# KiCad board PQ_EGSE.kicad_pcb (continued)
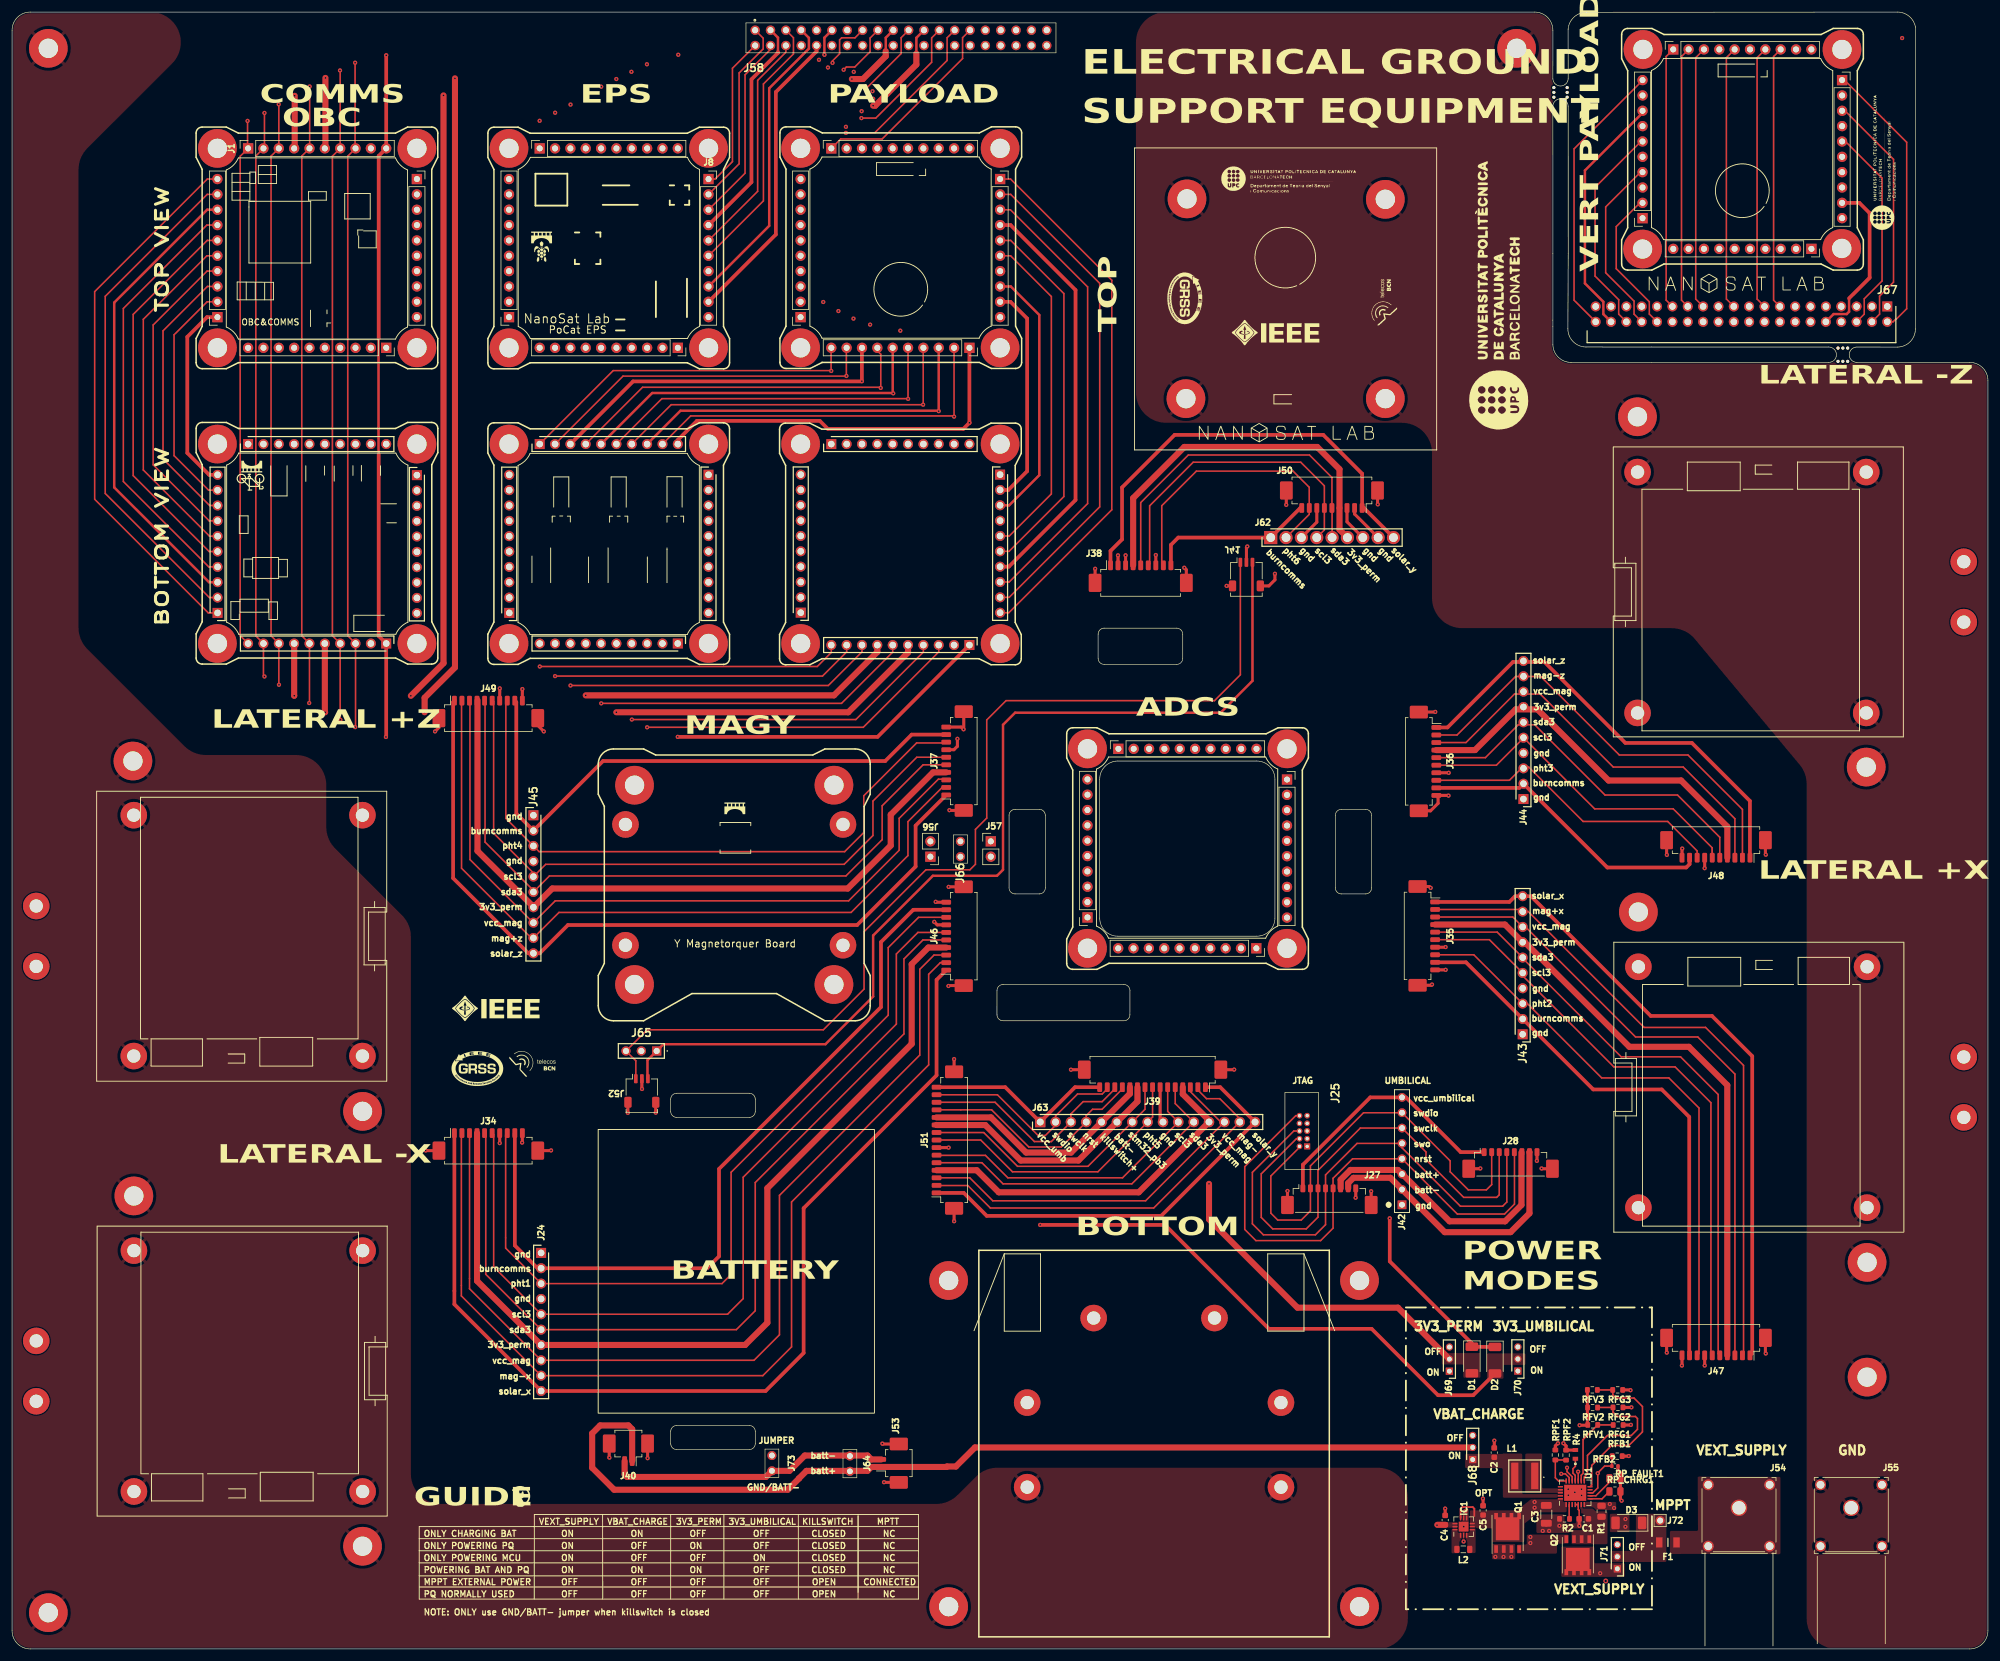
[diagram p0: board, top side]
## Routing (per net, layer and track width the routed paths; a pad name or vN(x,y) marks a point on that pad's centre or on a via; arc(x,y) is an arc through that point) (continued)
/SWO: length 86.4
  Top w0.25: J25.6 212.11,85.75 205.27,78.9 205.27,70.38 207.09,68.56 215.7,68.56 217.38,70.24 J27.4 217.38,78.47 222.59,83.69 J42.5 230.03,82.96 239.7,73.29 246.68,73.29 247.38,73.98 J28.4
ADC_PH: length 397.1
  Top w0.25: 148.28,206.97 J10.5 ; J14.6 107.54,207 148.25,207
  In2.Cu w0.25: J67.20 288.63,220.87 288.63,230.79 J60.5 ; J21.6 148.28,206.95 v1(148.29,206.96) ; 146.16,265.14 147,264.3 v1(147,218.25) ; J6.5 J14.6 ; 148.33,207 171,207 229.81,148.19 229.81,118.81 219,108 200.36,108 195.76,112.6 J31.5 ; J3.5 J17.6
  In4.Cu w0.25: v1(147,218.25) 147.75,218.25 148.28,217.72 J10.5 ; J17.6 59.18,206.9 91.5,206.9 J6.5
ADC_PL: length 627
  Top w0.25: J20.2 32.65,174.07 15.42,191.3 15.42,223.94 32.29,240.81 J2.9
  In2.Cu w0.25: J30.9 177.54,141.43 170.24,148.73 42.27,148.73 28.58,162.42 28.58,169.58 33.07,174.07 J20.2 ; J9.9 129.24,242.07 83.5,242.07 J5.9 80.98,242.08 35.24,242.08 J2.9 ; J29.9 268.51,257.2 258.51,247.19 258.51,225.84 J67.39
  In4.Cu w0.25: J20.2 35.19,175.25 81.1,175.25 J13.2 83.44,175.23 129.4,175.23 J26.2 132.77,174.11 157.2,198.53 157.2,200.2 160.38,203.38 177.61,203.38 181.25,207.02 181.25,253.82 170,265.07 170,267 171,268 J58.39
ADCS_POWER: length 391.1
  Top w0.4: J14.8 110.62,205 153.29,205 v1(153.36,204.93) 153.36,204.94 153.36,215.41 J10.3
  In2.Cu w0.4: 153.43,205 169.25,205 226.69,147.56 226.69,119.47 217.3,110.08 203.3,110.08 200.84,112.54 J31.3 ; J60.3 293.82,230.68 293.82,220.98 J67.16 ; J3.3 J17.8 ; v1(153.36,204.93) J21.8 ; v1(139.25,220.25) 139.37,220.37 139.37,258.27 140.8,259.7 140.8,265.42 J58.16 ; J6.3 J14.8
  In4.Cu w0.4: J10.3 153.94,216 154,216 154,219.67 153.42,220.25 v1(139.25,220.25) ; J6.3 94.69,205 62.36,205 62.23,204.87 62.23,204.87 J17.8
BATT+: length 213.9
  Top w1: J27.6 219.88,77.68 221.5,79.3 229.35,79.3 J42.3 230.09,78.61 237.9,70.8 247.1,70.8 249.8,73.5 249.8,82.18 ; J68.2 159.36,33.36 156.2,30.2 154.72,30.2 154.64,30.12 J53.1 142.21,30.12 141.56,29.48 131.48,29.48 130.25,28.25 130.25,28.23 128.37,26.35 99.65,26.35 96,30 96,35.68 97.32,37 102,37 102.62,36.38 J40.1
BATT-: length 654.7
  Top w0.4: 144.59,264.51 144.6,264.52 144.6,266.76 J58.19
  Top w1: v1(100,155.07) 138.39,155.07 148.28,164.97 J22.5 ; J39.10 186.25,90.63 J63.6 176.48,80.86 166.94,80.86 161.06,86.74 153.01,86.74 J51.10 ; v1(68.27,155.07) 68.27,157.47 73.3,162.5 v1(73.3,260.03) ; v1(138.99,259.92) 140.82,259.92 144.59,263.69 144.59,264.51 ; J27.7 221.12,77.12 222,78 228.11,78 J42.2 230.03,76.07 237.1,69 248,69 251.12,72.12 251.12,82.25 J28.7 ; J1.6 51.86,248.53 v1(51.86,260.1) ; v1(51.81,155.07) 51.76,155.12 J19.5 ; J40.2 101.38,28.88 101.78,28.48 124.75,28.48 J73.2 128.66,29.48 131.2,32.02 141.56,32.02 142.21,31.38 J53.2
  In2.Cu w1: J22.5 155.9,158.58 189.42,158.58 195.79,152.21 J32.6 ; v1(51.81,155.07) 68.13,155.07 ; J15.5 100.02,165.29 100,165.27 v1(100,155.07) v1(68.27,155.07) ; J7.6 100.02,248.75 100,248.77 v1(100,259.92) 99.89,260.03 v1(73.3,260.03) 51.93,260.03 v1(51.86,260.1)
  In4.Cu w1: J59.6 292.61,269.8 306.5,269.8 310.3,266 310.3,230.8 306.9,227.4 289.5,227.4 287.48,225.38 J67.19 ; J11.6 148.28,257.72 146.08,259.92 v1(138.99,259.92) v1(100,259.92)
BATT_NTC: length 596.4
  Top w0.25: J67.4 309.07,220.99 309.07,223.97 311.38,226.28 311.38,246.62 303.34,254.66 J61.3 ; J8.3 121.31,244.32 121.31,260.62 125.52,264.83 J58.4 ; J41.1 203.28,161.28 199,157 164.5,157 161.3,153.8 161.3,137.55 159.43,135.68 159.43,129.91 158.53,129 151.25,129 141,118.75 141,109.25 134.26,102.51 105.11,102.51 J65.3 103.22,97.38 J52.1 ; J23.8 165.02,176.64 178,189.62 178,225.5 165.22,238.28 J12.3
  In2.Cu w0.25: J18.8 68.35,177.9 113.98,177.9 J16.8 116.54,177.9 162.26,177.9 J23.8
  In4.Cu w0.25: J12.3 162.15,239.64 116.62,239.64 J8.3 114.09,239.45 68.18,239.45 J4.3 ; J33.3 217.62,145.48 217.62,155.06 213.41,159.28 180.73,159.28 163.51,176.49 J23.8
BURNCOMMS: length 849.2
  Top w0.4: J67.10 301.46,221 303.63,221 304.02,221.39 304.02,223.61
  Top w0.6: J37.9 148.88,151.38 144.5,147 97.8,147 J45.2 83.45,138.32 83.45,156.75 J49.9 ; J46.9 149.15,122.38 143.8,117.02 143.8,106.27 117,79.47 117,65 115.02,63.02 J24.2 86.98,63.02 83.2,66.8 J34.9 ; J8.9 126.4,234.18 126.4,257.76 133.14,264.5 J58.10 ; J47.9 277.57,48.65 277.57,88.07 273.02,92.63 261.68,92.63 250.01,104.3 J43.2 240.62,113.68 J35.9 ; J61.9 305.72,239.42 307.42,237.72 307.42,227.01 304.02,223.61 ; J50.9 213.2,188.9 J62.1 193,184 191.79,182.79 J38.9 ; J23.2 164.88,191.88 168,195 168,220.26 165.22,223.03 J12.9 ; J48.9 277.62,129.93 277.07,129.38 264.01,129.38 J44.2 249.45,142.56 J36.9
  In2.Cu w0.4: 114.11,193.01 114,193.12 68.33,193.12 68.22,193.01 ; 162.4,193 162.26,193.13 116.54,193.13 116.4,193
  In2.Cu w0.6: 162.4,193 J23.2 ; J18.2 68.22,193.01 ; 114.11,193.01 J16.2 116.4,193
  In4.Cu w0.4: 131.7,224.28 129.4,224.28 129.38,224.3 ; 80.6,224.4 80.68,224.32 83.7,224.32
  In4.Cu w0.6: J33.9 212.51,123.62 215.37,120.75 226.75,120.75 232,126 232,160.3 200.42,191.88 J23.2 ; 129.38,224.3 116.53,224.3 J8.9 113.97,224.32 83.7,224.32 ; J4.9 68.37,224.4 80.6,224.4 ; J12.9 162.27,224.28 131.7,224.28
CHRG: length 456.5
  Top w0.25: J14.1 99.48,211.64 135.51,211.64 v1(135.57,211.58) 135.55,211.6 135.55,215.39 J10.10 ; RP_CHRG1.1 263.13,24.85 U1.8
  In2.Cu w0.25: J58.30 159.62,264.38 159.62,218.86 157.15,216.4 157.15,213.4 156.09,212.34 ; 156.09,212.34 156.32,212.57 157.17,211.73 176.27,211.73 236.85,151.15 236.85,116.75 222.43,102.33 193.67,102.33 183.06,112.94 J31.10 ; 156.09,212.34 155.39,211.64 135.63,211.64 v1(135.57,211.58) 135.57,203.08 135.58,203.07 J21.1 ; J60.10 276.04,230.68 276.04,220.98 J67.30 ; J6.10 J14.1 ; J3.10 J17.1
  In4.Cu w0.25: J17.1 51.47,211.89 83.79,211.89 J6.10
CHRGOFF: length 610.6
  Top w0.25: J2.2 32.28,223.03 26.81,217.57 26.81,197.56 32.52,191.85 J20.9 ; J29.2 269.42,239.42 265.49,235.49 265.49,228.51 270.96,223.04 270.96,221 J67.32
  In2.Cu w0.25: J30.2 174.37,123.65 154.72,104 69,104 30,143 17.9,143 16,144.9 16,173.84 J20.9 ; J9.2 129.22,224.31 83.52,224.31 J5.2 80.96,224.31 35.26,224.31 J2.2
  In4.Cu w0.25: J58.32 161.08,260.73 169.72,252.1 169.72,213.56 166.94,210.78 143.78,210.78 139.41,206.41 139.41,198.53 132.76,191.89 J26.9 129.16,193.25 83.68,193.25 J13.9 81.07,193.06 35.22,193.06 J20.9
CLPROG: length 608.8
  Top w0.25: J2.3 32.33,225.57 24.98,218.23 24.98,197.01 32.69,189.31 J20.8
  In2.Cu w0.25: J2.3 35.27,226.86 80.95,226.86 J5.3 83.6,226.94 129.13,226.94 J9.3 ; J67.33 269.33,222.26 263.86,227.74 263.86,237.86 267.96,241.96 J29.3 ; J20.8 18,173.3 18,159 67.65,109.35 89.35,109.35 92,112 92,115 96.7,119.7 168.57,119.7 175.06,126.19 J30.3
  In4.Cu w0.25: J58.33 162.37,266.75 162.37,261.46 171.51,252.32 171.51,212.83 168.41,209.72 146.72,209.72 141.94,204.94 141.94,198.49 132.8,189.35 J26.8 129.4,190.47 83.44,190.47 J13.8 81.05,190.54 35.25,190.54 J20.8
DAC_PL: length 619.5
  Top w0.4: J2.8 32.28,238.28 16.9,222.89 16.9,192.31 32.6,176.61 J20.3 ; J67.38 263.35,221 263.35,223.04 260.31,226.08 260.31,244.78 269.84,254.32 J29.8
  In2.Cu w0.4: J9.8 129.25,239.53 83.49,239.53 J5.8 80.97,239.55 35.25,239.55 J2.8 ; J30.8 177.98,139.02 169.62,147.38 41.62,147.38 27,162 27,169.96 33.65,176.61 J20.3
  In4.Cu w0.4: J20.3 35.22,177.82 81.07,177.82 J13.3 83.57,177.9 129.27,177.9 J26.3 132.84,176.65 154.64,198.44 154.64,200.64 158.47,204.47 176.06,204.47 180,208.41 180,253.36 168.7,264.66 J58.38
FAULT: length 464.5
  Top w0.25: J14.2 101.11,210.73 138.05,210.73 v1(138.08,210.75) 138.08,215.37 J10.9 ; RP_FAULT1.1 264.36,27.6 262.11,25.35 U1.9
  In2.Cu w0.25: J21.2 138.08,199.52 v1(138.08,210.75) 175.25,210.75 235.45,150.55 235.45,116.45 222.4,103.4 194.89,103.4 185.6,112.69 J31.9 ; J6.9 J14.2 ; J60.9 278.58,230.69 278.58,220.97 J67.28 ; J10.9 138.12,213.88 139.42,212.58 153.41,212.58 153.81,212.98 153.81,213 154.64,213.83 154.64,215.95 157.13,218.44 157.13,264.33 J58.28 ; J3.9 J17.2
  In4.Cu w0.25: J6.9 85.44,211 53.12,211 J17.2
HEATER_PWR: length 615.3
  Top w0.4: J58.7 131.88,266.72 131.88,264.95 125.3,258.38 125.3,235.62 J8.8 ; J12.8 165.28,225.57 170,220.85 170,194.33 165.01,189.34 J23.3 ; J52.3 105.16,94.47 105.16,97.48 J65.1 107.8,100.12 134.61,100.12 142.5,108.01 142.5,118.11 152.39,128 163,128 164,129 164,153 166,155 200,155 205.28,160.28 J41.3
  In2.Cu w0.4: J61.8 304.04,241.96 307.43,238.57 307.43,227.07 302.72,222.36 J67.7 ; J23.3 162.25,190.6 116.54,190.6 J16.3 114,190.58 68.32,190.58 J18.3
  In4.Cu w0.4: J23.3 198.86,189.34 229,159.2 229,126 226.07,123.07 215.73,123.07 212.63,126.16 J33.8 ; J12.8 162.25,226.84 116.53,226.84 J8.8 113.98,226.85 68.28,226.85 J4.8
KILLSWITCH+: length 536.5
  Top w0.4: J58.23 149.66,266.74 149.66,264.1
  Top w1: 149.66,264.1 149.66,262.31 142.85,255.5 v1(142.5,255.5) ; J51.11 162,88 167.82,82.18 175.25,82.18 J63.5 185,91.92 J39.11 ; J1.4 46.68,248.76 46.77,248.85 v1(46.77,257.14) ; v1(94.94,157.87) 136.02,157.87 143.2,165.06 J22.7 ; v1(66,157.8) 71.4,163.2 v1(71.4,257.2) ; v1(46.7,157.81) 46.68,157.83 J19.7
  In2.Cu w1: J32.4 190.71,151.29 185.61,156.39 153.01,156.39 J22.7 ; J7.4 94.94,257.03 v1(95,257.09) 94.95,257.14 71.46,257.14 v1(71.4,257.2) 71.34,257.14 v1(46.77,257.14) ; v1(46.7,157.81) 46.72,157.83 65.97,157.83 v1(66,157.8) 94.86,157.8 v1(94.94,157.87) 94.94,165.26 94.94,165.27 J15.7
  In4.Cu w1: J59.4 277.56,269.8 265.9,269.8 262.5,266.4 262.5,231.1 266.1,227.5 280,227.5 282.4,225.1 J67.23 ; J11.4 143.2,254.8 v1(142.5,255.5) 142.16,255.5 140.57,257.09 v1(95,257.09)
NC: length 455.1
  Top w0.25: v1(102.57,153.87) 139.64,153.87 150.82,165.05 J22.4 ; v1(54.27,261.34) 54.3,261.31 J1.7 53.01,247.15 53.01,167.74 J19.4 54.3,153.85 v1(54.33,153.82) ; J58.17 142,266.7 142,264.44 139.46,261.9 138.07,261.9 v1(137.62,261.45) ; J67.17 288.8,223.49 288.8,263.45 J59.7
  In2.Cu w0.25: v1(54.27,261.34) 54.3,261.37 102.24,261.37 v1(102.5,261.11) 102.5,249.27 102.56,249.21 J7.7 ; J15.4 102.56,165.34 102.57,165.33 v1(102.57,153.87) 91.08,153.87 91.04,153.82 v1(54.33,153.82) ; J32.7 198.33,152.67 191.35,159.65 157.38,159.65 J22.4
  In4.Cu w0.25: J11.7 150.82,259.18 148.2,261.8 137.97,261.8 v1(137.62,261.45) 137.29,261.11 v1(102.5,261.11)
NRST: length 746.1
  Top w0.25: J20.6 32.68,184.23 21.72,195.19 21.72,220.13 32.24,230.66 J2.5 ; J28.5 248.65,82.23 248.65,73.65 247,72 239.19,72 J42.4 221.85,81.15 218.62,77.93 J27.5 218.62,69.66 216.57,67.6 205.85,67.6 204,69.46 204,79.84 212.44,88.29 J25.10 ; J39.12 183.75,92.71 180.38,89.34 178.81,89.34 177.77,88.3 J63.4 173.64,83.1 168.26,83.1 162.11,89.25 J51.12
  In2.Cu w0.25: J20.6 22,172.22 22,161 40.4,142.6 85.4,142.6 100,128 138.54,128 152.77,142.23 168.05,142.23 176,134.28 176,133.25 J30.5 ; J29.5 268.04,247.04 261.94,240.94 261.94,227.36 267.03,222.26 J67.35 ; J2.5 35.27,231.94 80.95,231.94 J5.5 83.41,231.83 129.32,231.83 J9.5
  In4.Cu w0.25: J20.6 35.28,185.5 81.01,185.5 J13.6 83.68,185.63 129.16,185.63 J26.6 132.76,184.27 147,198.5 147,203.33 151.32,207.65 171.75,207.65 175.05,210.95 175.05,252.8 165,262.86 165,266.84 J58.35
P/L_POWER: length 409
  Top w0.4: 145.75,207.93 145.78,207.93 v1(145.83,207.88) ; 145.75,207.93 105.93,207.93 J14.5 ; 145.75,207.93 145.75,215.41 J10.6
  In2.Cu w0.4: J31.6 193.22,112.78 199.29,106.71 219.71,106.71 231.27,118.27 231.27,148.73 172,208 145.95,208 v1(145.83,207.88) 145.73,207.77 145.73,199.49 J21.5 ; J10.6 146.17,215.42 149.53,218.78 149.53,264.31 J58.22 ; J3.6 J17.5 ; J6.6 J14.5 ; J67.22 286.21,220.99 286.21,223.42 286.2,223.43 286.2,230.68 J60.6
  In4.Cu w0.4: J6.6 90.06,208 57.74,208 J17.5
PFO: length 442.9
  Top w0.25: J22.6 145.74,165.03 137.26,156.55 v1(97.5,156.55) ; J67.21 283.72,223.49 283.72,263.45 J59.5 ; v1(49.17,156.6) 49.22,156.65 J19.6 47.94,167.74 47.94,247.15 J1.5 49.25,248.46 v1(49.25,258.68) ; J58.21 147.14,266.76 147.14,264.14 141.68,258.67 v1(141.22,258.67)
  In2.Cu w0.25: J7.5 97.48,258.63 v1(97.5,258.65) 87.27,258.65 87.26,258.65 58.12,258.65 58.09,258.68 v1(49.25,258.68) ; v1(49.17,156.6) 49.26,156.51 97.45,156.51 v1(97.5,156.55) 97.5,165.25 97.48,165.27 J15.6 ; J22.6 154.43,157.51 187.34,157.51 193.25,151.6 J32.5
  In4.Cu w0.25: v1(97.5,258.65) 141.19,258.65 v1(141.22,258.67) 141.24,258.65 144.35,258.65 145.74,257.26 J11.5
RST_DRIVERS: length 395
  Top w0.25: J14.7 109.08,206 v1(150.77,206) 150.79,206.02 150.79,215.39 J10.4
  In2.Cu w0.25: J3.4 J17.7 ; J58.18 143.6,265.16 143.6,251.5 141.93,249.83 141.93,219.32 v1(142,219.25) ; J67.18 291.17,220.87 291.17,230.79 J60.4 ; J21.7 150.82,205.95 v1(150.77,206) 170,206 228.22,147.78 228.22,119.22 218,109 201.98,109 198.3,112.68 J31.4 ; J6.4 J14.7
  In4.Cu w0.25: J6.4 93.15,206 60.82,206 J17.7 ; J10.4 150.82,218.57 150.12,219.27 142.02,219.27 v1(142,219.25)
SCL1: length 431.2
  Top w0.25: J59.2 276.29,263.64 276.29,223.3 J67.27 ; v1(41.77,161) 41.6,161.17 J19.9 40.34,167.72 40.34,247.17 J1.2 41.77,248.61 v1(41.77,254.3) ; v1(89.86,161.06) 134.11,161.06 138.12,165.07 J22.9 ; v1(138,251) 142.75,251 154.75,263 154.75,266.75 J58.27
  In2.Cu w0.25: v1(41.77,161) 41.83,161.06 v1(89.86,161.06) 89.86,165.21 89.86,165.21 J15.9 ; v1(41.77,254.3) 41.81,254.34 84.69,254.34 84.69,254.34 v1(89.87,254.34) 89.87,249.18 89.86,249.17 J7.2 ; J22.9 150.17,154.16 181.84,154.16 185.63,150.37 J32.2
  In4.Cu w0.25: 138.12,250.88 J11.2 ; v1(89.87,254.34) 134.66,254.34 v1(138,251)
SCL3: length 1150.4
  Top w0.25: 281.38,132.6 J48.6 281.38,132.62 274.92,139.08 261.92,139.08 250.53,150.47 249.81,150.47 245.65,146.31 J36.6 ; J51.6 153.04,81.71 161.09,81.71 164.8,78 183.78,78 J63.10 191.25,89 J39.6 ; J67.40 258.51,223.3 258.51,248.36 269.84,259.69 J29.10 ; J38.6 188.26,179.63 188.26,189.26 195.47,196.47 213.27,196.47 217.18,192.56 J50.6 217.18,185.26 J62.4 ; J47.6 281.16,48.82 281.16,90.44 275.23,96.36 265.09,96.36 250,111.45 J43.5 244.49,117.43 J35.6 ; J46.6 149.91,118.62 146.35,115.06 146.35,103.45 121,78.1 121,58 118.4,55.4 J24.5 79.7,63.26 79.7,85.15 J34.6 ; J37.6 149.73,147.62 142.48,140.38 142.48,134.67 137.7,129.9 88.31,129.9 J45.5 86.28,128.46 79.69,135.05 79.69,156.88 79.53,157.05 ; J20.1 32.47,171.53 13.67,190.33 13.67,224.72 32.3,243.36 J2.10
  In2.Cu w0.25: J9.10 129.11,244.75 83.63,244.75 J5.10 80.86,244.73 35.36,244.73 J2.10 ; J20.1 32.52,171.53 30,169.01 30,163 43,150 171,150 177.03,143.97 J30.10
  In4.Cu w0.25: J20.1 35.23,172.75 81.06,172.75 J13.1 83.44,172.69 129.4,172.69 J26.1 133.57,171.57 157.57,195.57 172.57,195.57 182.56,205.56 182.56,254.53 171.63,265.46 J58.40
SDA1: length 429.4
  Top w0.25: v1(38.97,252.98) 38.97,248.53 J1.1 37.75,247.12 37.75,167.77 J19.10 ; J67.29 273.75,223.3 273.75,263.64 J59.1 ; J11.1 137.14,249.99 143.99,249.99 157.31,263.31 157.31,266.77 J58.29 ; v1(87.34,162.65) 133.26,162.65 135.58,164.98 J22.10
  In2.Cu w0.25: J32.1 183.09,149.97 180.13,152.93 148.86,152.93 J22.10 ; J15.10 87.32,165.21 87.34,165.2 v1(87.34,162.65) 87.31,162.62 40.15,162.62 39.06,163.71 J19.10 ; J7.1 87.32,249.45 87.31,249.46 v1(87.31,253) 38.99,253 v1(38.97,252.98)
  In4.Cu w0.25: v1(87.31,253) 133,253 135.58,250.42 J11.1
SDA3: length 1151
  Top w0.25: J46.5 150.75,117.38 147.6,114.23 147.6,101.82 123,77.22 123,56 119.86,52.86 J24.6 78.39,62.03 78.39,85.08 ; J39.5 192.5,90.29 J63.11 185.32,77 164,77 160.5,80.5 J51.5 ; J37.5 150.77,146.38 144,139.6 144,133.99 137.99,127.98 88.93,127.98 J45.6 86.28,125.58 78.28,133.58 78.28,157.05 ; 78.38,85.22 J34.5 ; J29.4 269.5,244.5 263.74,238.74 263.74,227.84 268.44,223.14 268.44,220.99 J67.34 ; J62.5 218.46,188.87 J50.5 218.43,193.94 214.71,197.67 194.67,197.67 186.79,189.79 J38.5 ; J20.7 32.62,186.77 23.35,196.04 23.35,219.2 32.26,228.12 J2.4 ; J47.5 282.36,48.86 282.36,91.79 276.13,98.02 266.31,98.02 250,114.34 J43.6 245.78,118.68 J35.5 ; J48.5 282.62,134.38 275.63,141.37 263.63,141.37 252,153 249.27,153 243.83,147.56 J36.5
  In2.Cu w0.25: J9.4 129.23,229.39 83.51,229.39 J5.4 81.06,229.29 35.16,229.29 J2.4 ; J20.7 20,172.76 20,160 68,112 87.92,112 89.48,113.56 89.48,116.48 95.03,122.03 168.74,122.03 175.44,128.73 J30.4
  In4.Cu w0.25: J20.7 35.18,187.94 81.11,187.94 J13.7 83.51,188 129.33,188 J26.7 132.82,186.81 144.46,198.44 144.46,204.08 149.06,208.69 170.31,208.69 173.27,211.64 173.27,252.63 163.62,262.28 J58.34
SEL_PH0: length 427.2
  Top w0.25: J10.7 143.2,214.92 143.76,214.36 v1(143.76,208.78) 143.66,208.87 104.34,208.87 J14.4
  In2.Cu w0.25: J3.7 J17.4 ; J31.7 190.68,112.89 198.04,105.53 220.53,105.53 232.53,117.53 232.53,149.47 173.1,208.9 143.89,208.9 v1(143.76,208.78) 143.77,208.77 143.77,200.04 J21.4 ; J10.7 143.2,214.88 144.02,214.06 149.06,214.06 149.53,214.53 149.53,216.45 152.1,219.02 152.1,264.28 J58.24 ; J67.24 283.7,221.01 283.7,230.65 J60.7 ; J6.7 J14.4
  In4.Cu w0.25: J6.7 88.53,209 56.2,209 J17.4
SEL_PH1: length 430.1
  Top w0.25: J23.5 165.04,184.26 172,191.22 172,223.9 165.25,230.66 J12.6 ; J58.5 129.32,266.74 129.32,264.07 124.35,259.1 124.35,239.74 J8.6
  In2.Cu w0.25: J23.5 162.27,185.5 116.52,185.5 J16.5 114,185.5 68.33,185.5 J18.5 ; J67.5 309.46,226.46 309.46,242.54 304.96,247.04 J61.6
  In4.Cu w0.25: J23.5 197.74,184.26 224,158 224,144.42 211,131.42 J33.6 ; J12.6 162.35,231.83 116.44,231.83 J8.6 114.09,231.83 68.18,231.83 J4.6
SEL_PH2: length 426.7
  Top w0.25: J61.5 303.42,249.58 309.48,243.52 309.48,226.48 306.53,223.53 306.53,220.99 J67.6 ; J58.6 128.06,264.36 123.39,259.69 123.39,241.32 J8.5 ; J23.6 165,181.72 174.07,190.79 174.07,224.4 165.27,233.19 J12.5
  In2.Cu w0.25: J18.6 68.34,182.97 113.98,182.97 J16.6 116.56,183 162.23,183 J23.6
  In4.Cu w0.25: J12.5 162.35,234.37 116.44,234.37 J8.5 114.09,234.37 68.18,234.37 J4.5 ; J33.5 220.83,143.61 220.83,157.17 196,182 163.79,182 J23.6
SOLAR_X: length 888.2
  Top w0.6: J20.10 32.61,194.39 29,198 29,217.23 32.26,220.5 J2.1 ; J46.1 153,110.78 153,94.97 131,72.97 131,49 124.7,42.7 J24.10 73.2,57.06 J34.1 ; J47.1 288,48.98 288,98.13 281.33,104.8 271.2,104.8 251.38,124.62 J43.10 248.75,124.62 247.8,123.68 J35.1
  In2.Cu w0.4: 65.7,221.67 65.78,221.75 69.72,221.75 ; 116.62,221.78 113.38,221.78
  In2.Cu w0.6: J30.1 173.11,121.11 154,102 68,102 29,141 17.2,141 14,144.2 14,174.38 J20.10 ; J67.31 271.71,222.26 265.62,228.36 265.62,234.62 267.88,236.88 J29.1 ; 113.19,221.75 83.5,221.75 J5.1 80.99,221.75 68.5,221.75 ; J9.1 129.25,221.75 116.81,221.75 ; J2.1 35.24,221.75 65.62,221.75
  In4.Cu w0.4: 159.8,264.6 159.8,266.72 J58.31 ; 134.25,201 134.25,198 ; 65.75,195.7 68.75,195.7
  In4.Cu w0.6: 65.75,195.7 35.32,195.7 J20.10 ; 134.25,198 134.25,197.3 131.38,194.43 J26.10 129.88,194.43 128.59,195.72 83.62,195.72 J13.10 80.97,195.7 68.75,195.7 ; 159.8,264.6 159.8,260.2 168.12,251.88 168.12,214.12 165.52,211.52 140.52,211.52 134.25,205.25 134.25,201
SOLAR_Y: length 571.9
  Top w0.4: 126.76,264.4 126.76,266.76 J58.3
  Top w0.6: J51.1 157.5,75.5 161.3,71.7 190.18,71.7 J63.15 199.95,93 J39.1 ; 126.76,264.4 126.76,264.26 122.37,259.87 122.37,242.84 J8.4 ; J12.4 165.25,235.74 176,224.98 176,190.21 164.97,179.18 J23.7 ; J38.1 181.79,181.79 183.7,183.7 183.7,192.3 192.4,201 217,201 223.43,194.57 J50.1 223.72,188.9 J62.9
  In2.Cu w0.4: 80.84,180.41 83.55,180.41 83.6,180.46 ; 131.6,180.41 129.31,180.41
  In2.Cu w0.6: 83.6,180.46 113.96,180.46 J16.7 116.5,180.4 129.3,180.4 ; J18.7 68.34,180.43 80.58,180.43 ; J61.4 304.88,252.12 311.4,245.6 311.4,226.39 307.8,222.8 J67.3 ; 131.6,180.41 162.28,180.41 J23.7
  In4.Cu w0.4: 80.9,237.1 80.97,237.03 83.5,237.03 ; 128.5,237.1 128.57,237.03 131.8,237.03
  In4.Cu w0.6: 131.8,237.03 162.23,237.03 J12.4 ; J4.4 68.37,237.1 80.9,237.1 ; J33.4 219,144.32 219,156.14 214.14,161 181.25,161 163.51,178.74 J23.7 ; 83.5,237.03 113.97,237.03 J8.4 116.62,237.1 128.5,237.1
SOLAR_Z: length 579.7
  Top w0.6: J14.10 110.18,200.16 113.35,203.33 133.67,203.33 135,202 157.44,202 v1(158.44,203) J10.1 ; J36.1 237.56,152.56 248.4,163.4 253.6,163.4 267,150 278,150 287.61,140.39 287.61,131.02 J48.1 ; 73.28,157.05 72.99,156.77 72.99,127.61 85.44,115.17 J45.10 87.31,115.17 91.99,119.85 139.85,119.85 149.53,129.53 149.53,136.31 J37.1
  In2.Cu w0.25: J60.1 298.79,230.79 298.79,220.87 J67.12
  In2.Cu w0.4: v1(134.25,223) 134.2,223.05 134.2,249.97
  In2.Cu w0.6: J6.1 J14.10 ; J31.1 205.92,114.08 208,112 215,112 215.88,112.88 215.88,153.12 165.7,203.3 158.74,203.3 v1(158.44,203) J21.10 ; J3.1 J17.10 ; 134.2,249.97 134.02,250.14 134.02,262.16 135.68,263.82 J58.12
  In4.Cu w0.6: v1(134.25,223) 134.26,223.01 156.99,223.01 158.44,221.56 J10.1 ; J17.10 61.92,200.42 65.13,203.63 98.4,203.63 J6.1
STM32_PA15: length 429.7
  Top w0.25: J67.2 311.31,219.72 311.74,220.16 311.83,220.16 313.55,221.88 313.55,249.45 303.26,259.74 J61.1 ; J23.10 164.97,171.56 182,188.6 182,226.6 165.25,243.36 J12.1 ; J8.1 116.34,243.36 119.22,246.24 119.22,261.7 J58.2
  In2.Cu w0.25: J18.10 68.32,172.79 114,172.79 J16.10 116.58,172.85 162.22,172.85 J23.10
  In4.Cu w0.25: J4.1 68.18,244.53 114.09,244.53 J8.1 116.81,244.91 161.96,244.91 J12.1 ; J33.1 211.99,143.94 215.28,147.23 215.28,152.72 212.56,155.44 180.56,155.44 164.44,171.56 J23.10
STM32_PB0: length 324.6
  Top w0.25: J14.9 112.31,204.14 155.78,204.14 v1(155.9,204.02) J10.2
  In2.Cu w0.25: J6.2 J14.9 ; J60.2 296.25,230.79 296.25,220.87 J67.14 ; J31.2 203.38,113.36 205.66,111.08 216.71,111.08 218,112.36 218,154 168,204 155.92,204 v1(155.9,204.02) 155.88,204.01 155.88,199.49 J21.9 ; v1(136.75,221.5) 136.88,221.63 136.88,249.48 136,250.37 136,261.4 138.22,263.62 J58.14 ; J3.2 J17.9
  In4.Cu w0.25: v1(136.75,221.5) 155.67,221.5 155.9,221.27 J10.2
STM32_PB3: length 473.6
  Top w0.25: J23.9 165.02,174.1 180,189.08 180,226.09 165.27,240.81 J12.2 ; J51.9 153.01,85.49 160.81,85.49 166.4,79.9 178.06,79.9 J63.7 187.5,89.34 J39.9 ; J8.2 120.33,245.88 120.33,260.92 124.31,264.91 124.31,266.67 J58.1
  In2.Cu w0.25: J23.9 162.24,175.38 116.56,175.38 J16.9 114.03,175.31 68.29,175.31 J18.9 ; J67.1 311.26,222.26 313.47,224.47 313.47,248.53 304.8,257.2 J61.2
  In4.Cu w0.25: J4.2 68.18,241.99 114.09,241.99 J8.2 116.44,241.99 162.35,241.99 J12.2 ; J33.2 216.49,146.89 216.49,153.89 213.02,157.36 180.74,157.36 164,174.1 J23.9
SWCLK: length 744.5
  Top w0.25: J2.7 32.23,235.74 18.41,221.92 18.41,193.28 32.55,179.15 J20.4 ; J51.13 162.69,90.5 169.19,84 172,84 J63.3 175.23,88.58 177.26,90.61 180.4,90.61 182.5,92.71 J39.13 ; J28.3 246.12,75.18 245.7,74.76 240.24,74.76 234,81 234,82.27 J42.6 223.13,86.23 216.12,79.22 J27.3 216.12,71.49 214.19,69.55 208.63,69.55 206.74,71.43 206.74,78.66 212.56,84.48 J25.4
  In2.Cu w0.25: J67.37 264.14,222.26 260.23,226.18 260.23,243.68 268.66,252.12 J29.7 ; J20.4 33.87,179.15 25.59,170.87 25.59,161.41 41.14,145.86 87.14,145.86 101,132 137.43,132 151.27,145.84 168.96,145.84 177.98,136.82 J30.7 ; J9.7 129.24,237 83.5,237 J5.7 80.96,237.01 35.26,237.01 J2.7
  In4.Cu w0.25: J58.37 167.26,266.56 167.26,264.36 178.51,253.1 178.51,209.51 174.47,205.47 155.95,205.47 152.11,201.63 152.11,198.53 132.76,179.19 J26.4 129.16,180.55 83.68,180.55 J13.4 81.03,180.4 35.26,180.4 J20.4
SWDIO: length 729.1
  Top w0.25: J25.2 213.07,83.05 208.32,78.3 208.32,72.14 209.46,71 213.35,71 214.88,72.52 J27.2 214.88,79.97 223.67,88.77 J42.7 238,80.81 238,79 241,76 244,76 244.88,76.88 J28.2 ; J20.5 32.61,181.69 20.05,194.25 20.05,220.95 32.29,233.19 J2.6 ; J51.14 163.06,91.75 169.81,85 171,85 172.69,86.69 J63.2 172.69,88.24 176.33,91.88 180.42,91.88 181.25,92.71 J39.14 ; J29.6 269.58,249.58 261.98,241.98 261.98,227.29 265.89,223.38 265.89,220.99 J67.36
  In2.Cu w0.25: J9.6 129.23,234.47 83.51,234.47 J5.6 80.94,234.49 35.28,234.49 J2.6 ; J20.5 33.69,181.69 24,172 24,161 40.65,144.35 86.04,144.35 100.55,129.84 137.84,129.84 152,144 168.46,144 177.98,134.48 J30.6
  In4.Cu w0.25: J58.36 166.16,263.71 176.91,252.97 176.91,210.54 172.95,206.59 153.74,206.59 149.58,202.42 149.58,198.52 132.78,181.73 J26.5 129.4,182.85 83.44,182.85 J13.5 81.08,182.89 35.21,182.89 J20.5
UART_RX: length 434.5
  Top w0.25: v1(44.17,159.63) 44.14,159.66 J19.8 42.86,167.74 42.86,247.15 J1.3 44.14,255.72 v1(44.13,255.73) ; v1(92.42,159.51) 135.08,159.51 140.66,165.08 J22.8 ; J67.25 278.64,223.49 278.64,263.45 J59.3 ; v1(140.56,253.45) 142.94,253.45 152.18,262.69 152.18,266.72 J58.25
  In2.Cu w0.25: v1(44.13,255.73) 44.2,255.66 85.64,255.66 85.67,255.69 v1(92.43,255.69) 92.4,255.66 J7.3 ; J22.8 151.54,155.33 183.67,155.33 188.17,150.83 J32.3 ; J15.8 92.4,165.27 92.42,165.25 v1(92.42,159.51) 92.17,159.75 44.29,159.75 v1(44.17,159.63)
  In4.Cu w0.25: v1(92.43,255.69) 138.31,255.69 140.55,253.45 v1(140.56,253.45) 140.56,253.44 140.66,253.34 J11.3
UART_TX: length 461.2
  Top w0.25: v1(56.78,152.62) 56.84,152.68 J19.3 55.55,167.75 55.55,247.14 J1.8 56.77,248.5 v1(56.77,262.61) ; v1(105.09,152.59) 140.88,152.59 153.36,165.07 J22.3 ; J58.15 139.5,266.74 137.29,266.74 136.95,266.4 136.95,264.1 135.79,262.93 v1(135.79,262.59) ; J67.15 291.53,223.3 291.53,263.64 J59.8
  In2.Cu w0.25: J7.8 105.1,249.67 105.07,249.7 v1(105.07,262.36) 104.85,262.58 56.8,262.58 v1(56.77,262.61) ; J15.3 105.1,165.29 105.09,165.29 v1(105.09,152.59) 105.09,152.58 56.82,152.58 v1(56.78,152.62) ; J32.8 200.87,153.13 193.34,160.66 158.91,160.66 J22.3
  In4.Cu w0.25: J11.8 153.36,260.64 151,263 136.19,263 v1(135.79,262.59) 134.84,262.59 134.6,262.36 v1(105.07,262.36)
Net-(Q2-D): length 26.9
  Top w0.5: v1(256.75,34.05) 257.18,33.62 RPF2.1 258.7,32.91 R4.2
  In4.Cu w0.5: v1(256.75,34.05) 256.75,34 261.63,29.12 261.63,13.73 v1(262.83,12.53)
Net-(U1-BSTFB): length 17.6
  Top w0.25: v1(256.38,28.98) 257.08,28.98 257.7,28.36 U1.18 ; U1.10 261.62,25.85 262.43,26.66 v1(262.43,29.08) ; RFB1.1 264.76,31.85 RFB2.1 263.56,30.27 262.43,29.13
  In2.Cu w0.25: v1(256.38,28.98) 257.53,28.98 258.63,30.08 261.43,30.08 v1(262.43,29.08)
Net-(U1-CLN):
  vias: v1(245.48,15.23) v1(246.83,15.23) v1(248.13,15.23) v1(264.43,23.98) v1(265.13,23.33)
Net-(U1-PFI): length 6.7
  Top w0.2: 257.16,31.28 RPF2.2
  Top w0.25: U1.19 255.95,27.8 255.41,28.34 RPF1.1 257.16,31.28

## Copper pours and planes (outline as drawn; the poured copper is in the pictures)
3V3_PERM on Top: 240.18,44.88 240.18,47.08 236.63,47.08 236.63,48.98 242.98,48.98 243.03,44.88
/3V3_EGSE on Top: 239.28,20.08 236.68,20.08 236.68,20.98 239.28,20.98
/VIN on Top: 264.58,14.38 273.78,14.39 273.78,22.37 268.75,22.37 268.73,16.23 264.58,16.23
GND on Top: 267.69,19.35 267.69,22.38 264.43,22.36 264.43,19.33
GND on Top: 252.28,19.18 257.78,19.18 257.78,19.93 259.88,19.93 259.88,22.03 258.83,21.98 258.83,20.78 256.93,20.78 256.93,22.28 252.58,22.28 252.28,22.03
GND on Top: 0,271 0,0 231,0 231,30 161,30 155,24 66,24 66,120 52,134 52,148 30,148 11,167 11,247 35,271
GND on Top: 186,271 186,203 235,203 235,169 277,169 297,145 297,0 327,0 327,213 255,213 255,271
GND on Top, Bottom: 240.48,17.48 240.48,19.38 241.08,19.38 241.08,23.23 240.03,23.23 240.03,21.13 239.38,21.13 239.38,19.43 239.98,19.43 239.98,17.48
GND on Bottom: 257,271 315,271 315,215 257,215
GND on Bottom: 0,271 255,271 255,213 327,213 327,0 0,0
GND on In1.Cu: 327,0 327,213 255,213 255,271 0,271 0,0
GND on In1.Cu: 314.96,215.52 257.64,215.63 257.64,271 315,271
GND on In2.Cu: 181,271 181,213 195,199 227.5,199 260,172 260,60 294,60 294,0 327,0 327,213 255,213 255,271
GND on In2.Cu: 36,271 0,271 0,0 229,0 229,66 147,66 147,86 96,86 96,71 64,71 9,130 9,238
GND on In3.Cu: 257,271 257,215 315,215 315,271
GND on In3.Cu: 0,271 255,271 255,213 327,213 327,0 0,0
GND on In4.Cu: 36.3,271.23 0.3,271.23 0.3,0.23 229.3,0.23 229.3,66.23 147.3,66.23 147.3,86.23 96.3,86.23 96.3,71.23 64.3,71.23 9.3,130.23 9.3,238.23
GND on In4.Cu: 186,271 186,208 193,199 227.5,199 260,172 260,60 294,60 294,0 327,0 327,213 255,213 255,271
VCC_UMBILICAL on Top: 246.83,44.73 246.83,47.03 250.48,47.03 250.48,48.93 244.08,48.93 244.08,44.73
/CHOUT on Top: 256.88,24.53 257.28,24.53 257.28,22.63 252.78,22.63 250.33,20.78 250.28,17.68 244.93,17.68 244.93,19.98 241.23,19.98 241.23,22.93 249.03,22.93 251.38,24.78 255.83,24.78 255.83,24.98 256.88,24.98
/CHOUT on In2.Cu: 266.86,35.54 266.86,23.98 265.73,23.98 265.72,24.58 262,24.58 261.63,24.58 261.63,22.78 251.38,22.78 251.38,24.78 251.37,24.89 260.55,24.89 260.53,25.59 265.72,25.58 265.7,36.53 258.83,36.53 258.83,37.53 266.86,37.54
/IGATE on Top: 255.68,17.43 255.68,15.78 249.03,15.78 249.03,17.28 250.68,17.28 250.68,18.93 257.63,18.93 257.63,17.43
/IGATE on In2.Cu: 251.93,16.73 251.93,22.58 251.13,22.58 251.13,27.08 259.73,27.03 259.73,29.78 258.63,29.78 258.63,28.23 249.73,28.23 249.73,21.33 250.58,21.38 250.58,16.73
/VSUPPLY on Top: 274.37,15.72 278.96,15.73 278.96,15.72 292.67,15.68 292.67,28.48 278.97,28.53 279.02,19.54 274.38,19.55
Net-(IC1-LX1_1) on Top: 241.23,19.93 241.23,19.23 240.53,19.23 240.53,18.38 240.83,17.78 240.83,15.83 242.23,15.88 242.23,19.93
Net-(IC1-LX2_1) on Top: 239.23,19.88 239.23,19.23 239.93,19.23 239.93,18.38 239.53,17.73 239.53,15.83 238.23,15.83 238.23,19.88
Net-(L1-Pad1) on Top: 253.23,26.58 253.23,32.33 250.43,32.33 250.43,25.73 256.68,25.73 256.68,26.58
Net-(Q2-D) on Top: 256.38,16.93 256.38,11.93 266.93,11.93 266.93,14.18 261.88,14.18 261.88,16.93
Net-(U1-BAT) on Top: 249.93,25.63 256.73,25.63 256.73,25.03 246.73,25.03 246.69,29.93 240.48,29.93 240.48,32.28 246.68,32.28 246.68,32.33 249.93,32.33
Net-(U1-CLN) on Top: 259.98,23.43 261.68,23.43 262.13,22.98 265.48,22.98 265.48,24.33 259.98,24.33
Net-(U1-CLN) on Top: 244.93,17.38 248.78,17.38 248.78,14.83 244.93,14.83
Net-(U1-CLN) on In2.Cu: 262.13,15.63 262.13,24.33 265.48,24.33 265.48,22.93 263.93,22.93 263.93,13.78 244.83,13.78 244.83,15.63
Net-(U1-VIN) on Top: 259.53,24.43 259.88,24.43 259.88,23.23 261.63,23.23 262.08,22.78 264.03,22.78 264.03,17.33 258.08,17.33 258.08,19.68 260.08,19.68 260.08,22.43 259.53,22.43

## Text on the board
F.Silkscreen: OBC&COMMS | VBAT_CHARGE | ONLY CHARGING BAT | ONLY POWERING PQ | ONLY POWERING MCU | POWERING BAT AND PQ | MPPT EXTERNAL POWER | PQ NORMALLY USED | NOTE: ONLY use GND/BATT- jumper when killswitch is closed | VEXT_SUPPLY | ON | OFF | 3V3_PERM | 3V3_UMBILICAL | KILLSWITCH | CLOSED | OPEN | CONNECTED | MPTT | NC | vcc_umb | swdio | swclk | nrst | killswitch+ | batt- | stm32_pb3 | pht5 | gnd | scl3 | sda3 | 3v3_perm | vcc_mag | mag- | solar_y | burncomms | JTAG | UMBILICAL | solar_z | mag+z | pht4 | solar_x | mag-x | pht1 | batt+ | swo | vcc_umbilical | pht2 | pht3 | mag+x | mag-z | GND/BATT- | JUMPER | OPT | pht6 | PoCat EPS | Y Magnetorquer Board | NanoSat Lab | MPPT | GND | TOP VIEW | BOTTOM VIEW | POWER | MODES | ADCS | TOP | VERT PAYLOAD | LATERAL +Z | LATERAL -X | COMMS | OBC | GUIDE | EPS | BATTERY | MAGY | PAYLOAD | BOTTOM | LATERAL -Z | LATERAL +X | ELECTRICAL GROUND | SUPPORT EQUIPMENT
